# Altium PCB Zotino.PCBDOC (part 3 of 8) (continued)
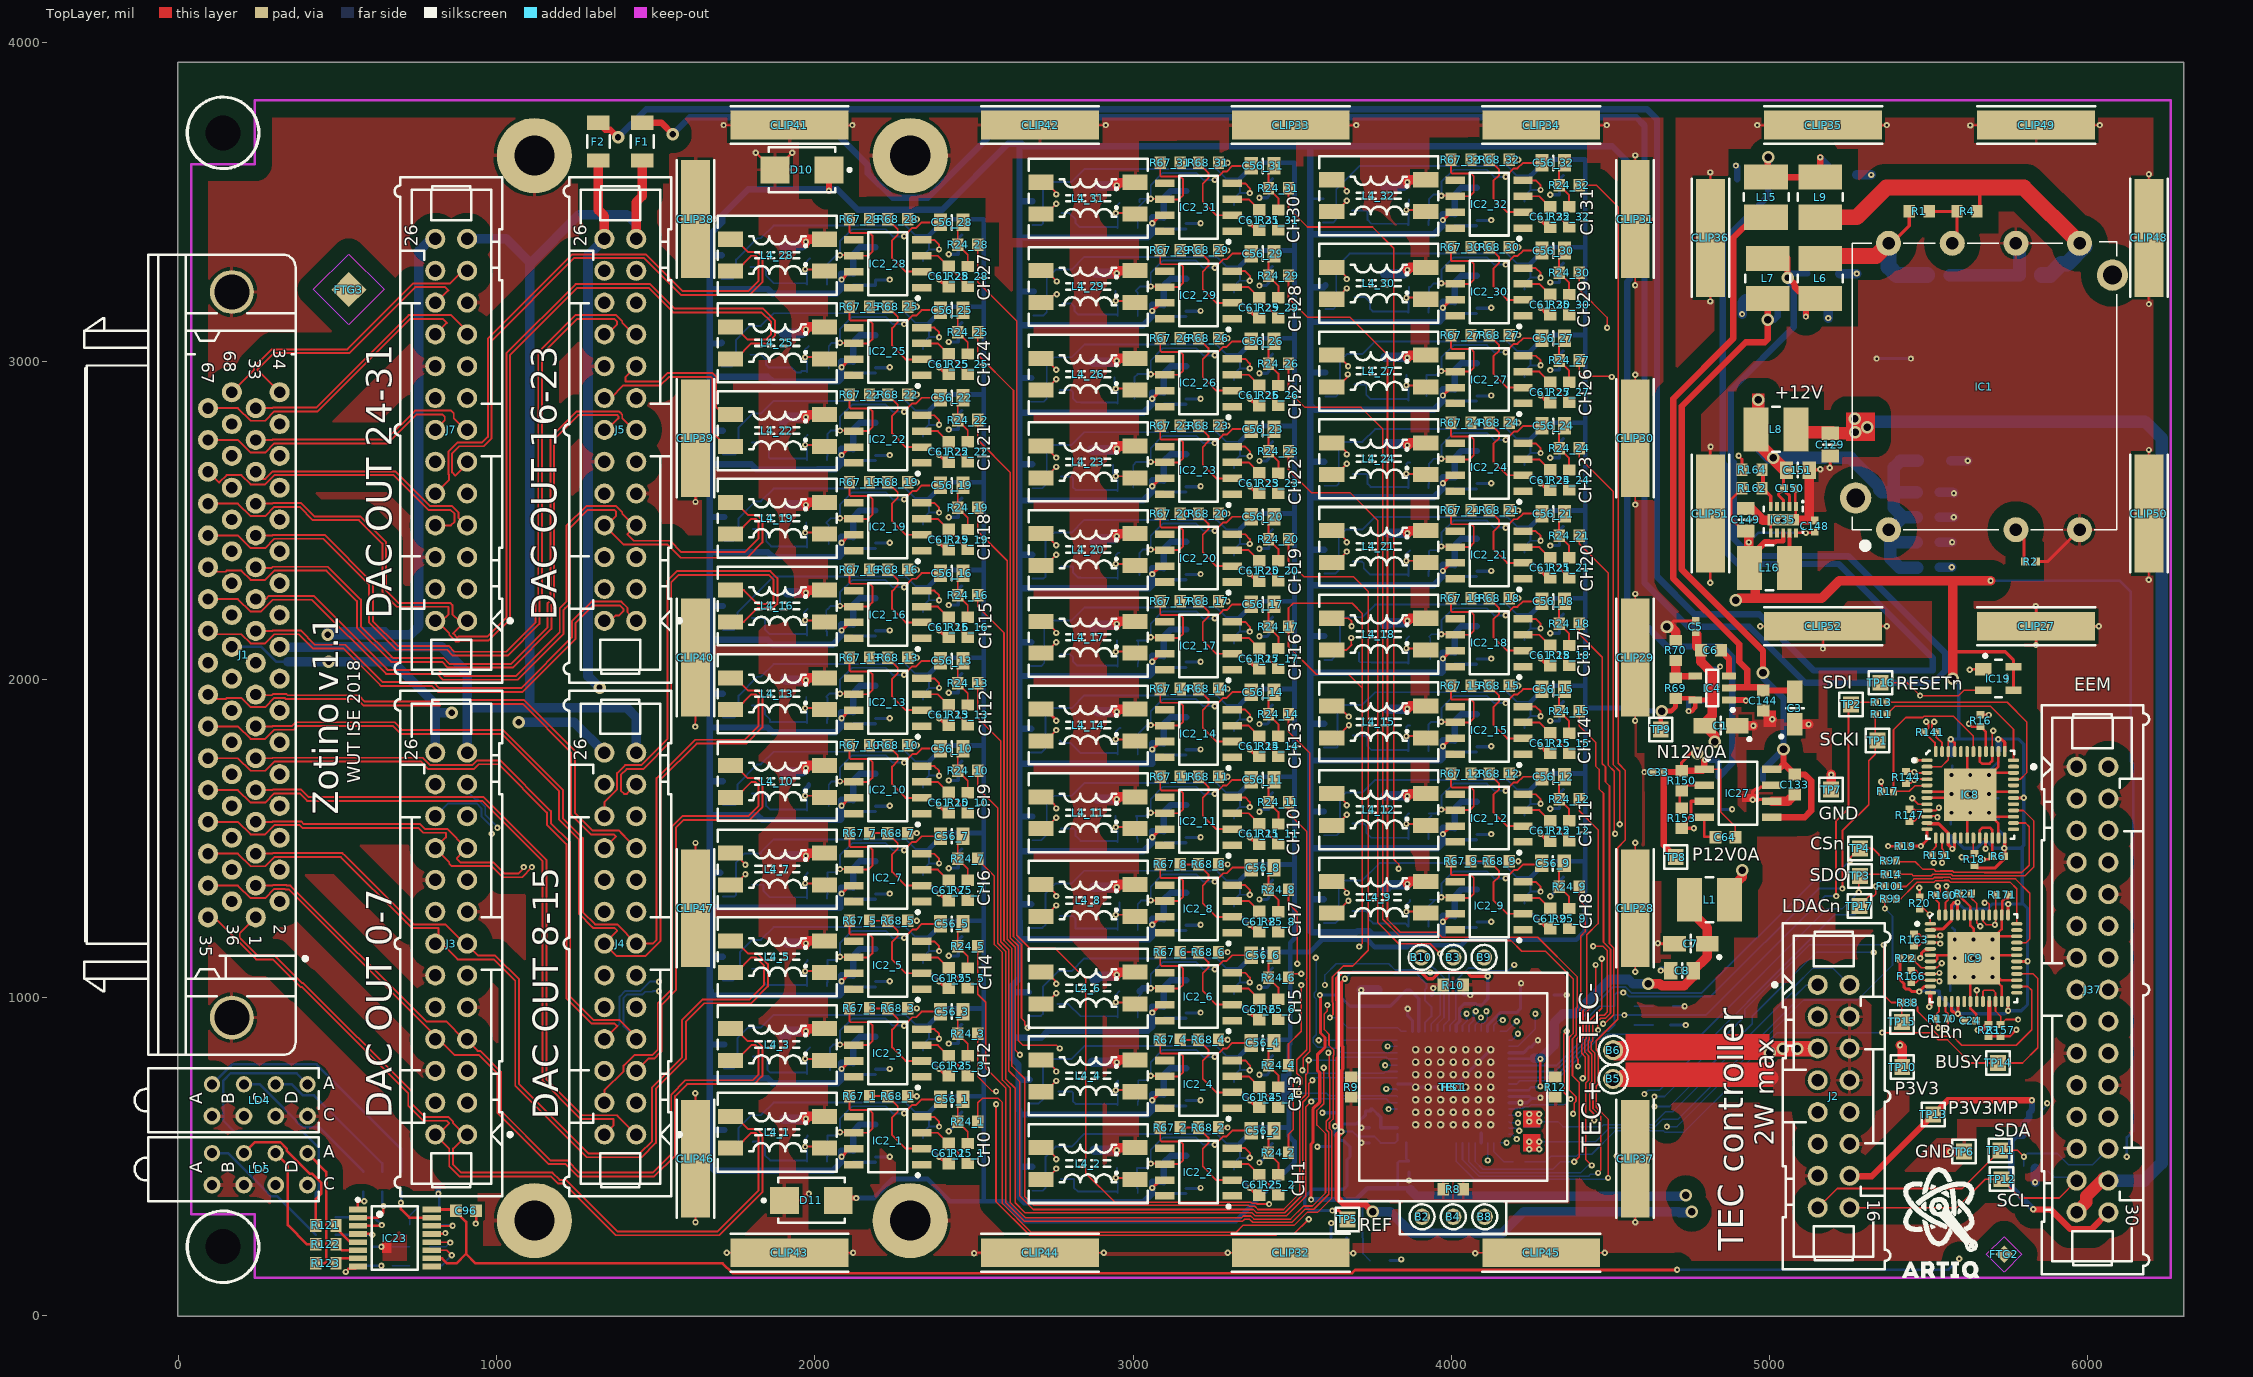
[diagram p0: TopLayer view]
## Nets (pads, with @x,y where several pads share a name; then routed paths per layer and width w, separated by ;. In a path a pad name is that pad's centre, name@x,y a point inside that pad or via, vN(x,y) a via of type N, cw(c..) or ccw(c..) an arc to the next point about the centre after c; other vN are vias at no path point) (continued)
  Signal Layer 1 w6: J1.60@167.72,2502.02 225.72,2502.02 236.22,2512.52 259.08,2512.52 308.45,2561.89 508.81,2561.89 767.29,2303.41 767.29,2267.35 790.43,2244.21 968.16,2244.21 1048.84,2324.89 1048.84,2522.41 1137.84,2611.41 1137.84,2898.93 1158.84,2919.93 1158.84,3124.45 1199.84,3165.45 1199.84,3192.86 1251.19,3244.21 1398.79,3244.21 J5.23@1438.29,3283.71 1486.79,3235.2 1490.49,3235.2 1497.32,3228.37 1538.84,3186.86 1560.29,3165.41 1560.29,2958.44 1646.84,2871.89 2328.11,2871.89 2331.63,2868.37 2363.08,2836.92 2446.81,2836.92 2451.84,2831.89 2501.84,2781.89 2908.62,2781.89 2916.73,2790 2920.24,2793.51 3266.49,2793.51 3270,2790 3315.11,2744.89 3496.74,2744.89 3543.84,2697.79 3662.55,2697.79 v1(3671.31,2706.55)
DAC_OUT_N25: J1.61 J7.2 L4_25.3 | length 3364.1
  TopLayer w6: J1.61@92.72,2552.02 186.86,2552.02 226.36,2512.52 272.37,2512.52 301.36,2541.51 380.34,2541.51 421.96,2499.89 566.87,2499.89 640.6,2426.16 640.6,2273.13 685.84,2227.89 848.84,2227.89 848.84,2204.89 827.66,2183.71 J7.2@806.79,2183.71 811.29,2183.71 850.79,2144.21 850.79,2139.24 867.91,2122.12 871.42,2118.61 881.36,2118.61 884.88,2122.12 974.97,2122.12 1042,2189.15 1042,3019.16 1252.84,3230 1477.38,3230 1554.41,3152.97 1831.75,3152.97 1862.03,3122.7 1862.03,3084.97 1844.72,3067.66 1788.65,3067.66 L4_25.3@1752.19,3104.12 ; L4_25.3@1734.08,3107.12 1734.08,3111.24 1745.08,3111.24 L4_25.3@1752.19,3104.12 ; L4_25.3@1737.08,3104.12 L4_25.3@1752.19,3104.12
DAC_OUT_N26: J1.62 J7.5 L4_26.3 | length 4023.2
  TopLayer w6: L4_26.3@2710.45,3008.69 2721.53,3008.69 v1(2757.93,2972.3)
  Signal Layer 1 w6: J1.62@167.72,2602.02 178.22,2612.52 259.08,2612.52 296.45,2649.89 331.87,2649.89 353.87,2671.89 518.81,2671.89 755.81,2434.89 785.14,2434.89 785.46,2435.2 840.49,2435.2 858.29,2417.41 858.29,2358.41 864.33,2352.36 875.44,2352.36 J7.5@902.98,2379.9 ; J7.5@906.79,2383.71 J7.5@902.98,2379.9 ; v1(2757.93,2972.3) 2749.16,2963.53 2663.87,2963.53 2627.22,2926.89 1716.56,2926.89 1606.49,3036.96 1606.49,3214.21 1604.33,3216.37 1492.32,3328.37 1485.49,3335.2 1254.69,3335.2 1161.84,3242.35 1161.84,3181.19 1120.84,3140.19 1120.84,2935.67 1099.84,2914.67 1099.84,2627.15 1001.84,2529.15 1001.84,2387.89 949.15,2335.2 902.98,2335.2 J7.5@902.98,2379.9
DAC_OUT_N27: J1.63 J7.8 L4_27.3 | length 4862.7
  TopLayer w6: J1.63@92.72,2652.02 126.36,2618.38 128.22,2618.38 151.36,2641.51 197.37,2641.51 226.36,2612.52 272.37,2612.52 301.36,2641.51 676.16,2641.51 785.46,2532.21 854.52,2532.21 867.29,2519.44 867.29,2494.89 856.11,2483.71 J7.8@806.79,2483.71 ; L4_27.3@3623.84,3018.54 3628.38,3014 3646,3014 3675,2985 v1(3675,2984)
  Signal Layer 1 w6: J7.8@806.79,2483.71 850.93,2483.71 855.29,2488.07 855.29,2529.38 866.56,2540.65 959.6,2540.65 1061.84,2642.89 1061.84,2930.41 1082.84,2951.41 1082.84,3155.93 1123.84,3196.93 1123.84,3258.09 1300.95,3435.2 1522.71,3435.2 1800,3157.92 2134.56,3157.92 2210,3082.48 2282.48,3082.48 2326.89,3126.89 2971.97,3126.89 3048.86,3050 3531.6,3050 3597.6,2984 v1(3675,2984)
DAC_OUT_N28: J1.64 J7.11 L4_28.3 | length 2655.8
  TopLayer w6: J7.11@906.79,2683.71 902.21,2679.13 904.55,2676.79 906.79,2676.79 870,2640 860,2650 860,2710 882.21,2732.21 959.18,2732.21 964.97,2738 983.95,2756.98 983.95,3064.46 1242.69,3323.2 1463.55,3323.2 1578.76,3208 1794.97,3208 1831.32,3244.35 1834.83,3247.86 1834.83,3326.77 1831.32,3330.29 1818.35,3343.26 1788.65,3343.26 L4_28.3@1752.19,3379.71 ; L4_28.3@1734.08,3382.71 1734.08,3386.83 1745.08,3386.83 L4_28.3@1752.19,3379.71 ; L4_28.3@1737.08,3379.71 L4_28.3@1752.19,3379.71
  Signal Layer 1 w6: J1.64@167.72,2702.02 178.22,2712.52 259.08,2712.52 298.45,2751.89 648.81,2751.89 756.49,2644.21 823.15,2644.21 823.82,2644.89 867.97,2644.89 J7.11@906.79,2683.71
DAC_OUT_N29: J1.65 J7.14 L4_29.3 | length 3469.1
  TopLayer w6: J1.65@92.72,2752.02 186.86,2752.02 226.36,2712.52 272.37,2712.52 301.36,2741.51 657.43,2741.51 748.13,2832.21 829.2,2832.21 836.61,2824.8 836.61,2813.53 J7.14@806.79,2783.71 ; L4_29.3@2710.46,3284.28 2725.72,3284.28 v1(2760,3250)
  Signal Layer 1 w6: J7.14@806.79,2783.71 834.65,2811.56 840.54,2811.56 863.87,2834.89 928.84,2834.89 951.84,2857.89 951.84,2874.15 1044.84,2967.15 1044.84,3171.67 1085.84,3212.67 1085.84,3273.83 1306.1,3494.09 1722.44,3494.09 1974.97,3241.57 1979.94,3241.57 2002.03,3219.48 2479.48,3219.48 2510,3250 v1(2760,3250)
DAC_OUT_N30: J1.66 J7.17 L4_30.3 | length 4348.3
  TopLayer w6: L4_30.3@3623.84,3294.13 3640.87,3294.13 3671.31,3263.69 v1(3671.31,3257.73)
  Signal Layer 1 w6: J1.66@167.72,2802.02 178.22,2812.52 259.08,2812.52 298.45,2851.89 585.84,2851.89 680.84,2946.89 787.75,2946.89 790.43,2944.21 837.91,2944.21 858.27,2964.57 858.27,2976.38 865.6,2983.71 J7.17@906.79,2983.71 906.79,2983.56 875.98,2952.76 875.98,2942.91 883.69,2935.2 959.15,2935.2 1006.84,2982.89 1006.84,3187.41 1047.84,3228.41 1047.84,3289.57 1284.05,3525.78 1875.05,3525.78 1889.62,3511.2 2019.06,3381.77 2019.06,3330.94 2061.6,3288.4 2481.32,3288.4 2519.8,3326.89 2971.84,3326.89 3024.73,3274 3276.03,3274 3308.03,3306 3388,3306 3445.03,3248.97 3662.55,3248.97 v1(3671.31,3257.73)
DAC_OUT_N31: J1.67 J7.20 L4_31.3 | length 3388.7
  TopLayer w6: J1.67@92.72,2852.02 186.86,2852.02 226.36,2812.52 272.37,2812.52 301.36,2841.51 437.43,2841.51 728.13,3132.21 831.02,3132.21 843.16,3120.08 J7.20@806.79,3083.71 ; L4_31.3@2710.45,3559.88 L4_31.3@2710.63,3559.88 ; L4_31.3@2710.63,3561.81 2725.59,3561.81 2757.93,3529.48 v1(2757.93,3523.48)
  Signal Layer 1 w6: J7.20@806.79,3083.71 843.55,3083.71 843.55,3111.57 866.87,3134.89 921.84,3134.89 968.84,3181.89 968.84,3203.15 1009.84,3244.15 1009.84,3305.31 1269.68,3565.15 1925.55,3565.15 1941.49,3549.2 2095.81,3394.89 2100.78,3394.89 2133.67,3362 2332.14,3362 2365.03,3394.89 2473.84,3394.89 2593.67,3514.72 2749.16,3514.72 v1(2757.93,3523.48)
DAC_OUT_N32: J1.68 J7.23 L4_32.3 | length 4175.5
  TopLayer w6: J1.68@167.72,2902.02 236.72,2971.02 236.72,2979.86 293.75,3036.89 530.84,3036.89 738.16,3244.21 853.16,3244.21 892.66,3283.71 J7.23@906.79,3283.71 ; L4_32.3@3623.84,3569.72 3640.28,3569.72 3671.31,3538.69 v1(3671.31,3533.32)
  Signal Layer 1 w6: J7.23@906.79,3283.71 891.98,3283.71 856.3,3248.03 856.3,3241.08 862.17,3235.2 947.15,3235.2 955.98,3244.03 955.98,3305.2 1255.31,3604.52 2096.18,3604.52 2210,3490.7 2484.65,3490.7 2595.95,3602 3391.73,3602 3469.17,3524.56 3662.55,3524.56 v1(3671.31,3533.32)
DAC_OUT_P1: J1.1 J3.1 L4_1.4 | length 2578.6
  TopLayer w6: J1.1@242.72,1252.02 192.32,1201.62 192.32,1188.37 248.81,1131.89 301.84,1131.89 388.11,1045.62 391.81,1045.62 733.84,703.6 733.84,664.89 773.84,624.89 847.76,624.89 862.79,609.86 862.79,604.89 898.14,569.53 J3.1@906.79,569.53 862.79,525.53 862.79,474.89 887.79,449.89 1174.55,449.89 1197.44,427 1216.7,427 1378.81,264.89 1693.84,264.89 1822.83,393.88 1822.83,565.9 1813.84,574.89 1799.89,574.89 1751.81,526.81 L4_1.4@1734.08,526.81
DAC_OUT_P2: J1.2 J3.4 L4_2.4 | length 3208.2
  TopLayer w6: L4_2.4@2710.46,428.38 2726.38,428.38 2757.93,459.93 v1(2757.93,462.46)
  Signal Layer 1 w6: J1.2@317.72,1302.02 345.59,1329.89 388.84,1329.89 738.84,979.89 738.84,739.92 760.87,717.89 837.23,717.89 846.46,708.66 J3.4@807.33,669.53 ; J3.4@806.79,669.53 J3.4@807.33,669.53 ; v1(2757.93,462.46) 2749.16,471.22 2420.17,471.22 2382.74,433.79 2379.22,430.27 2001.55,430.27 1998.03,433.79 1981.93,449.89 1583.29,449.89 1563.8,430.4 1525.29,391.89 1240.29,391.89 1162.29,469.89 923.15,709.03 887.98,709.03 848.49,669.53 J3.4@807.33,669.53
DAC_OUT_P3: J1.3 J3.7 L4_3.4 | length 2451.4
  TopLayer w6: J1.3@242.72,1352.02 294.89,1352.02 296.39,1353.51 339.05,1353.51 340.54,1352.02 351.71,1352.02 778.84,924.89 840.81,924.89 J3.7@896.16,869.53 ; J3.7@906.79,869.53 906.79,865.21 940,832 948,832 1010,770 1013.51,766.49 1013.51,643.46 1168.49,488.49 1221.51,488.49 1260,450 1490,450 1548.29,508.29 1548.29,695.26 1593.03,740 1803.91,740 1822.83,758.92 1822.83,841.49 1813.84,850.48 1799.89,850.48 1751.81,802.4 L4_3.4@1734.08,802.4
DAC_OUT_P4: J1.4 J3.10 L4_4.4 | length 3348.4
  TopLayer w6: L4_4.4@2710.45,703.97 2723.85,703.97 v1(2757.93,738.05)
  Signal Layer 1 w6: J1.4@317.72,1402.02 345.59,1429.89 443.84,1429.89 673.84,1199.89 673.84,1179.92 733.84,1119.92 733.84,1030.69 748.29,1016.23 834.16,1016.23 834.16,996.91 J3.10@806.79,969.53 831.74,969.53 873.83,1011.62 920.56,1011.62 928.24,1003.94 946.28,985.89 946.28,859.25 975.1,830.44 975.1,750.44 978.61,746.92 1157.13,568.4 1295.64,429.89 1509.55,429.89 1548.06,468.4 1792.55,712.89 2455.77,712.89 2489.69,746.81 2749.16,746.81 v1(2757.93,738.05)
DAC_OUT_P5: J1.5 J3.13 L4_5.4 | length 2767.1
  TopLayer w6: J1.5@242.72,1452.02 294.89,1452.02 296.39,1453.51 515.22,1453.51 523.84,1444.89 738.69,1230.04 838.69,1230.04 899.19,1169.53 J3.13@906.79,1169.53 906.79,1167 941.79,1132 994.97,1132 998.49,1128.49 1070,1056.97 1070,728.29 1288.29,510 1450,510 1488,548 1488,717.57 1582.49,812.06 1582.49,929.46 1647.16,994.13 1794.45,994.13 1840,1039.68 1840,1099.91 1813.84,1126.07 1799.89,1126.07 1751.81,1077.99 L4_5.4@1734.08,1077.99
DAC_OUT_P6: J1.6 J3.16 L4_6.4 | length 3506.5
  TopLayer w6: L4_6.4@2710.46,979.56 2723.85,979.56 v1(2757.93,1013.64)
  Signal Layer 1 w6: J1.6@317.72,1502.02 355.59,1539.89 538.84,1539.89 765.84,1312.89 840.84,1312.89 843.84,1309.89 843.84,1306.59 J3.16@806.79,1269.53 814.07,1276.81 849.17,1276.81 849.17,1240.16 871.29,1218.04 934.38,1218.04 960.84,1191.58 960.84,1025.08 984.28,1001.63 984.28,874.99 1013.1,846.18 1013.1,766.18 1016.61,762.66 1167.04,612.23 1493.7,612.23 1502.36,620.89 1506.81,620.89 1518.84,632.92 1518.84,819.18 1691.04,991.37 2585.32,991.37 2588.84,994.89 2616.35,1022.4 2749.16,1022.4 v1(2757.93,1013.64)
DAC_OUT_P7: J1.7 J3.19 L4_7.4 | length 2502.2
  TopLayer w6: J1.7@242.72,1552.02 294.89,1552.02 296.39,1553.51 385.22,1553.51 393.84,1544.89 758.84,1544.89 773.84,1529.89 843.84,1529.89 904.19,1469.53 J3.19@906.79,1469.53 874.26,1437.01 874.26,1436.46 885.83,1424.89 988.84,1424.89 1023.84,1389.89 1068.84,1389.89 1085,1406.05 v1(1085,1409.89) ; L4_7.4@1716.42,1353.58 L4_7.4@1734.08,1353.58 1747.47,1353.58 v1(1781.55,1387.65)
  Signal Layer 1 w6: v1(1085,1409.89) 1091.84,1403.05 1091.84,1055.3 1234.25,912.89 1488.81,912.89 1550.84,974.92 1588.84,1012.92 1588.84,1097.78 1625.23,1134.17 1628.74,1137.68 1628.74,1260.15 1765,1396.42 1772.78,1396.42 v1(1781.55,1387.65)
  BottomLayer w6: v1@1085,1405 v1(1085,1409.89)
DAC_OUT_P8: J1.8 J3.22 L4_8.4 | length 3639.6
  TopLayer w6: L4_8.4@2710.45,1255.15 2723.85,1255.15 v1(2757.93,1289.23)
  Signal Layer 1 w6: J1.8@317.72,1602.02 329.87,1614.17 846.46,1614.17 856.3,1604.33 856.3,1584.65 841.19,1569.53 J3.22@806.79,1569.53 ; v1(984,1515.05) 993.68,1515.05 1010.35,1498.37 1010.35,1318.37 1036.84,1291.89 1036.84,1056.56 1060.28,1033.11 1060.28,906.47 1169.7,797.06 1273.19,797.06 1294.16,818.04 1463.96,818.04 1588.84,942.92 1588.84,959.18 1626.84,997.18 1626.84,1039.84 1666.74,1079.74 1666.74,1181.02 1747.1,1261.37 2535.32,1261.37 2538.84,1264.89 2571.94,1297.99 2749.16,1297.99 v1(2757.93,1289.23)
  BottomLayer w6: J3.22@806.79,1569.53 847.14,1609.89 936.84,1609.89 951.84,1594.89 951.84,1569.92 983.32,1538.44 983.32,1515.73 v1(984,1515.05)
DAC_OUT_P9: J1.9 J4.1 L4_9.4 | length 5294.5
  TopLayer w6: J1.9@242.72,1652.02 294.89,1652.02 296.39,1653.51 385.22,1653.51 386.71,1652.02 408.84,1629.89 958.81,1629.89 1155.84,1432.86 1155.84,742.89 1268.69,630.04 1378.69,630.04 1378.84,629.89 1378.84,628.98 J4.1@1438.29,569.53 ; L4_9.4@3623.84,1264.99 3637.24,1264.99 v1(3676.16,1303.91)
  Signal Layer 1 w6: J4.1@1438.29,569.53 1394.28,525.53 1394.28,514.89 1429.28,479.89 1488.84,479.89 1533.84,524.89 1533.84,583.41 1898.49,948.06 2312.29,948.06 2312.61,947.75 2327.39,947.75 2327.71,948.06 2454.03,948.06 2474.73,927.35 2586.3,927.35 2640.84,981.89 2775.84,981.89 2798.84,1004.89 2798.84,1064.89 2808.84,1074.89 2808.84,1219.89 2888,1299.05 2888,1364.97 2941.51,1418.49 2945.03,1422 3254.97,1422 3258.49,1418.49 3293.02,1383.95 3724.97,1383.95 3742.31,1366.61 3742.31,1323.77 3730.31,1311.77 3684.01,1311.77 v1(3676.16,1303.91)
DAC_OUT_P10: J1.10 J4.4 L4_10.4 | length 3492.9
  TopLayer w6: J4.4@1338.29,669.53 1338.29,708.29 1398.79,768.79 1398.79,785.89 1432.89,820 1490,820 1505.8,835.8 1505.8,982.77 1550.84,1027.81 1550.84,1537.81 1583.03,1570 1790,1570 1822.83,1602.83 1822.83,1668.26 1813.84,1677.25 1799.89,1677.25 1751.81,1629.17 L4_10.4@1734.08,1629.17
  Signal Layer 1 w6: J1.10@317.72,1702.02 350.59,1734.89 768.61,1734.89 785.46,1718.04 928.12,1718.04 982.91,1663.25 982.91,1567.7 946,1530.79 946,1499.31 962.32,1482.99 962.32,1312.66 965.84,1309.15 998.84,1276.15 998.84,1040.82 1022.28,1017.37 1022.28,890.73 1194.98,718.04 1359.62,718.04 1364.47,722.89 1375.84,722.89 1378.84,719.89 1378.84,710.09 J4.4@1338.29,669.53
DAC_OUT_P11: J1.11 J4.7 L4_11.4 | length 3877.1
  TopLayer w6: J1.11@242.72,1752.02 294.89,1752.02 296.39,1753.51 766.95,1753.51 790.43,1730.04 923.15,1730.04 938,1744.89 1010.81,1744.89 1169.84,1585.86 1169.84,1548.38 1230.84,1487.38 1230.84,1002.89 1303.69,930.04 1385.66,930.04 1438.28,877.41 J4.7@1438.29,869.53 ; L4_11.4@2710.45,1530.74 2723.85,1530.74 v1(2757.93,1564.82)
  Signal Layer 1 w6: v1(1510,1020) 1528.95,1020 1537.68,1028.73 1537.68,1031.16 1537.8,1031.16 1548.84,1042.2 1548.84,1042.92 1550.84,1044.92 1550.84,1113.52 1587.23,1149.91 1590.74,1153.42 1590.74,1316.08 1615.32,1340.66 1618.84,1344.18 1618.84,1421.87 1734.86,1537.89 2506.84,1537.89 2542.53,1573.58 2749.16,1573.58 v1(2757.93,1564.82)
  BottomLayer w6: J4.7@1438.29,869.53 1398.79,909.03 1398.79,999.15 1408.67,1009.03 1457.49,1009.03 1466.5,1018.04 1490.48,1018.04 1490,1018.52 1491.48,1020 v1(1510,1020)
DAC_OUT_P12: J1.12 J4.10 L4_12.4 | length 4876.6
  TopLayer w6: L4_12.4@3623.84,1540.58 3637.24,1540.58 v1(3671.31,1574.66)
  Signal Layer 1 w6: J1.12@317.72,1802.02 360.59,1844.89 1008.84,1844.89 1143.84,1709.89 1143.84,1164.92 1200.87,1107.89 1320.78,1107.89 1321.93,1109.03 1354.64,1109.03 1377.78,1085.89 1377.78,1053.18 1338.28,1013.68 J4.10@1338.29,969.53 1376.44,1007.69 1384.04,1007.69 1385.38,1009.03 1459.95,1009.03 1472.16,1021.24 1472.16,1027.39 1482.61,1037.84 1485.05,1037.84 1489.98,1042.78 1489.98,1106.4 1549.23,1165.65 1552.74,1169.16 1552.74,1331.82 1577.32,1356.4 1580.84,1359.92 1580.84,1524.92 1602.16,1546.24 1602.16,1547.39 1612.61,1557.84 1613.76,1557.84 1615.58,1559.66 1814.92,1759 2443.76,1759 2537.87,1664.89 3275.11,1664.89 3313.6,1626.4 3617.32,1626.4 3653.84,1589.89 3657.35,1586.37 3659.6,1586.37 v1(3671.31,1574.66)
DAC_OUT_P13: J1.13 J4.13 L4_13.4 | length 2845
  TopLayer w6: J1.13@242.72,1852.02 294.89,1852.02 296.39,1853.51 357.46,1853.51 368.84,1864.89 679.13,1864.89 703.47,1840.55 1020.15,1840.55 1207.84,1652.86 1207.84,1564.12 1270.84,1501.12 1270.84,1267.89 1308.84,1229.89 1377.93,1229.89 J4.13@1438.29,1169.53 1489.53,1169.53 1502.29,1182.29 1502.29,1689.26 1623.03,1810 1779.1,1810 1822.83,1853.73 1822.83,1943.85 1813.84,1952.84 1799.89,1952.84 1751.81,1904.76 L4_13.4@1734.08,1904.76
DAC_OUT_P14: J1.14 J4.16 L4_14.4 | length 3566.4
  TopLayer w6: L4_14.4@2710.45,1806.33 2723.85,1806.33 v1(2757.93,1840.41)
  Signal Layer 1 w6: J1.14@317.72,1902.02 360.59,1944.89 1038.84,1944.89 1198.84,1784.89 1198.84,1389.92 1270.87,1317.89 1369.12,1317.89 1377.95,1309.06 J4.16@1338.43,1269.53 ; J4.16@1338.29,1269.53 J4.16@1338.43,1269.53 ; v1(2757.93,1840.41) 2749.16,1849.17 2658.84,1849.17 2629.56,1819.89 1623.84,1819.89 1541.84,1737.89 1541.84,1650 1542.84,1649 1542.84,1376.92 1474.95,1309.03 1421.93,1309.03 1382.43,1269.53 J4.16@1338.43,1269.53
DAC_OUT_P15: J1.15 J4.19 L4_15.4 | length 4326.1
  TopLayer w6: J1.15@242.72,1952.02 244.84,1949.89 292.77,1949.89 296.39,1953.51 339.05,1953.51 342.67,1949.89 565.87,1949.89 585.87,1929.89 816.15,1929.89 820.84,1934.57 1086.12,1934.57 1089.17,1931.52 1242.32,1778.37 1245.84,1774.86 1245.84,1579.86 1300.81,1524.89 1382.93,1524.89 J4.19@1421.6,1486.22 ; 1390.84,1516.98 J4.19@1421.6,1486.22 ; J4.19@1438.29,1469.53 J4.19@1421.6,1486.22 ; L4_15.4@3623.84,1816.17 3638.27,1816.17 v1(3677.66,1855.56)
  Signal Layer 1 w6: J4.19@1438.29,1469.53 1426.57,1469.53 1398.84,1497.26 1398.84,1507.89 1483.81,1507.89 1503.84,1527.92 1503.84,1769.89 1606.84,1872.89 1986.84,1872.89 2011.84,1897.89 2461.84,1897.89 2503.84,1939.89 3280.03,1939.89 3312.87,1907.06 3442.94,1907.06 3482,1868 3665.22,1868 v1(3677.66,1855.56)
DAC_OUT_P16: J1.16 J4.22 L4_16.4 | length 2909.8
  TopLayer w6: J4.22@1338.29,1569.53 1338.29,1613.68 1377.78,1653.18 1377.78,1664.89 1378,1665.11 1378,1704.97 1403.07,1730.04 1454.64,1730.04 1536.29,1811.68 1536.29,2310 1566.29,2340 1860,2340 1882,2318 1882,2236.81 1869.54,2224.35 1820.45,2224.35 1776.45,2180.35 L4_16.4@1734.08,2180.35
  Signal Layer 1 w6: J1.16@317.72,2002.02 350.59,2034.89 386.37,2034.89 425.39,1995.87 563.34,1995.87 585.68,2018.21 1065.52,2018.21 1263.84,1819.89 1263.84,1671.15 1318.9,1616.1 1385.87,1616.1 1387.8,1614.17 1387.8,1604.33 1353,1569.53 J4.22@1338.29,1569.53
DAC_OUT_P17: J1.19 J5.1 L4_17.4 | length 3011.4
  TopLayer w6: J1.19@242.72,2152.02 294.89,2152.02 296.39,2153.51 383.49,2153.51 428.54,2108.46 524.05,2108.46 638.1,1994.4 641.62,1990.89 801.62,1990.89 819.93,1972.57 1076.48,1972.57 1235.84,2131.93 1235.84,2181.89 1298.16,2244.21 1391.49,2244.21 1410.84,2224.86 1410.84,2211.15 J5.1@1438.29,2183.71 ; L4_17.4@2710.45,2081.92 2723.85,2081.92 v1(2757.93,2116)
  Signal Layer 1 w6: J5.1@1438.29,2183.71 1424.69,2183.71 1397.64,2210.76 1397.64,2227.73 1402.12,2232.21 1494.55,2232.21 1631.87,2094.89 2608.97,2094.89 2638.84,2124.76 2749.16,2124.76 v1(2757.93,2116)
DAC_OUT_P18: J1.20 J5.4 L4_18.4 | length 3934.6
  TopLayer w6: L4_18.4@3623.84,2091.77 3669.77,2091.77 3686,2108 3685.03,2108.97 v1(3685.03,2129.92)
  Signal Layer 1 w6: J1.20@317.72,2202.02 325.59,2209.89 513.84,2209.89 645.84,2077.89 667.52,2056.21 1102.13,2056.21 1123.81,2077.89 1230.84,2184.92 1230.84,2283.99 1279.53,2332.68 1316.49,2332.68 1316.95,2332.21 1358.27,2332.21 1358.27,2322.83 1338.29,2302.85 J5.4@1338.29,2283.71 1385.98,2331.4 1497.34,2331.4 1528.62,2300.12 2137.87,2300.12 2266.8,2171.19 2382.41,2171.19 2382.61,2171.39 2397.39,2171.39 2397.59,2171.19 2465.14,2171.19 2500.35,2206.4 3163.03,2206.4 3220.14,2149.29 3296.26,2149.29 3324.97,2178 3512,2178 3542,2148 3672.62,2148 3685.03,2135.59 v1(3685.03,2129.92)
DAC_OUT_P19: J1.21 J5.7 L4_19.4 | length 2394.7
  TopLayer w6: J1.21@242.72,2252.02 273.88,2252.02 283.76,2261.89 424.36,2261.89 653.84,2032.4 657.36,2028.89 817.36,2028.89 835.67,2010.57 1060.74,2010.57 1197.84,2147.67 1197.84,2223.38 1202.84,2228.38 1218.84,2244.38 1218.84,2481.86 1281.19,2544.21 1374.93,2544.21 1375.4,2543.75 1394.28,2524.86 1394.28,2519.89 1430.47,2483.71 J5.7@1438.29,2483.71 1410,2455.42 1430.22,2435.2 1544.8,2435.2 1580.37,2399.63 1779.63,2399.63 1822.83,2442.83 1822.83,2495.03 1813.84,2504.02 1799.89,2504.02 1751.81,2455.94 L4_19.4@1734.08,2455.94
DAC_OUT_P20: J1.22 J5.10 L4_20.4 | length 3302.3
  TopLayer w6: L4_20.4@2710.45,2357.51 2723.85,2357.51 v1(2757.93,2391.59)
  Signal Layer 1 w6: J1.22@317.72,2302.02 348.84,2333.14 348.84,2344.89 368.84,2364.89 463.84,2364.89 715.84,2112.89 734.52,2094.21 1015.13,2094.21 1033.81,2112.89 1167.32,2246.4 1170.84,2249.92 1170.84,2359.86 1167.32,2363.37 1157.32,2373.37 1157.32,2493.37 1296.16,2632.21 1351.1,2632.21 1355.36,2627.95 1368.94,2614.37 J5.10@1338.29,2583.71 1382.43,2583.71 1421.93,2623.2 1454.64,2623.2 1475.3,2602.55 ; 1468.5,2609.35 1477.78,2600.07 1477.78,2543.98 1661.87,2359.89 2311.11,2359.89 2312.61,2361.39 2327.39,2361.39 2328.89,2359.89 2583.38,2359.89 2623.84,2400.35 2749.16,2400.35 v1(2757.93,2391.59)
DAC_OUT_P21: J1.23 J5.13 L4_21.4 | length 4719.7
  TopLayer w6: J1.23@242.72,2352.02 244.84,2349.89 292.77,2349.89 296.39,2353.51 469.71,2353.51 572.84,2250.38 572.84,2167.15 669.58,2070.4 673.1,2066.89 833.1,2066.89 851.41,2048.57 1045,2048.57 1159.84,2163.41 1159.84,2239.12 1164.84,2244.12 1168.35,2247.63 1168.35,2759.4 1250.84,2841.89 1383.81,2841.89 1387.32,2838.37 1394.28,2831.41 1394.28,2819.89 1430.47,2783.71 J5.13@1438.29,2783.71 ; L4_21.4@3623.84,2367.36 3637.24,2367.36 v1(3671.31,2401.43)
  Signal Layer 1 w6: J5.13@1438.29,2783.71 1402.1,2819.89 1412.1,2829.89 1461.84,2829.89 1481.84,2809.89 1481.84,2749.92 1485.35,2746.4 1731.87,2499.89 2011.87,2499.89 2063.87,2447.89 2456.84,2447.89 2488.84,2479.89 3164.18,2479.89 3185.81,2501.51 3261.34,2501.51 3307.97,2454.89 3391.87,2454.89 3436.56,2410.2 3662.55,2410.2 v1(3671.31,2401.43)
DAC_OUT_P22: J1.24 J5.16 L4_22.4 | length 2549.7
  TopLayer w6: J5.16@1338.29,2883.71 1358.12,2883.71 1397.61,2923.2 1514.46,2923.2 1541.43,2950.17 1673.1,2950.17 1677.78,2945.49 1677.78,2776.92 1723.18,2731.53 L4_22.4@1734.08,2731.53
  Signal Layer 1 w6: J1.24@317.72,2402.02 355.59,2439.89 523.84,2439.89 616.84,2346.89 616.84,2284.92 769.55,2132.21 963.13,2132.21 1115.84,2284.92 1115.84,2518.7 1187.84,2590.7 1187.84,2858.89 1253.84,2924.89 1379.47,2924.89 1383.84,2920.52 1383.84,2909.43 1358.12,2883.71 J5.16@1338.29,2883.71
DAC_OUT_P23: J1.25 J5.19 L4_23.4 | length 4236.3
  TopLayer w6: J1.25@242.72,2452.02 294.89,2452.02 296.39,2453.51 459.87,2453.51 610.84,2302.55 610.84,2182.89 688.84,2104.89 848.84,2104.89 867.15,2086.57 1029.26,2086.57 1121.84,2179.15 1121.84,2254.86 1130.35,2263.37 1130.35,3027.25 1247.32,3144.21 1374.93,3144.21 1394.28,3124.86 1394.28,3119.89 1430.47,3083.71 J5.19@1438.29,3083.71 ; L4_23.4@2710.45,2633.1 2723.85,2633.1 v1(2757.93,2667.18)
  Signal Layer 1 w6: J5.19@1438.29,3083.71 1404.48,3083.71 1393.84,3094.35 1393.84,3111.62 1412.14,3129.92 1466.54,3129.92 1505.91,3090.55 1505.91,2850.85 1711.87,2644.89 1715.38,2641.37 2500.4,2641.37 2534.97,2675.94 2749.16,2675.94 v1(2757.93,2667.18)
DAC_OUT_P24: J1.26 J5.22 L4_24.4 | length 4841.3
  TopLayer w6: L4_24.4@3623.84,2642.95 3637.24,2642.95 v1(3671.31,2677.02)
  Signal Layer 1 w6: J1.26@317.72,2502.02 365.59,2549.89 503.84,2549.89 755.29,2298.44 755.29,2262.38 785.46,2232.21 973.13,2232.21 1057.32,2316.4 1060.84,2319.92 1060.84,2517.44 1149.84,2606.44 1149.84,2893.96 1170.84,2914.96 1170.84,3119.48 1211.84,3160.48 1211.84,3187.89 1256.16,3232.21 1333.84,3232.21 1338.28,3227.77 J5.22@1338.29,3183.71 1377.78,3223.2 1485.52,3223.2 1548.29,3160.44 1548.29,2953.47 1641.87,2859.89 2323.14,2859.89 2358.11,2824.92 2441.84,2824.92 2496.87,2769.89 2913.59,2769.89 2925.22,2781.51 3261.51,2781.51 3310.14,2732.89 3491.77,2732.89 3538.87,2685.79 3662.55,2685.79 v1(3671.31,2677.02)
DAC_OUT_P25: J1.27 J7.1 L4_25.4 | length 3212.9
  TopLayer w6: J1.27@242.72,2552.02 294.89,2552.02 296.39,2553.51 385.31,2553.51 426.93,2511.89 571.84,2511.89 603.84,2479.89 652.6,2431.13 652.6,2278.1 690.81,2239.89 853.81,2239.89 860.84,2232.86 860.84,2204.89 882.02,2183.71 J7.1@906.79,2183.71 902.28,2183.71 862.79,2144.21 876.39,2130.61 879.91,2134.12 970,2134.12 1030,2194.12 1030,3024.13 1247.87,3242 1482.35,3242 1559.38,3164.97 1836.72,3164.97 1874.03,3127.67 1874.03,3080 1849.23,3055.2 1799.89,3055.2 1751.81,3007.12 L4_25.4@1734.08,3007.12
DAC_OUT_P26: J1.28 J7.4 L4_26.4 | length 3960.3
  TopLayer w6: L4_26.4@2710.45,2908.69 2723.85,2908.69 v1(2757.93,2942.77)
  Signal Layer 1 w6: J1.28@317.72,2602.02 348.84,2633.14 348.84,2649.89 358.84,2659.89 513.84,2659.89 750.84,2422.89 790.11,2422.89 ; 790.43,2423.2 835.52,2423.2 846.29,2412.44 846.29,2342.35 806.79,2302.85 J7.4@806.79,2283.71 817.17,2283.71 867.11,2333.65 887.57,2333.65 898.01,2323.2 954.12,2323.2 1013.84,2382.92 1013.84,2524.18 1111.84,2622.18 1111.84,2909.7 1132.84,2930.7 1132.84,3135.22 1173.84,3176.22 1173.84,3237.38 1259.66,3323.2 1480.52,3323.2 1594.49,3209.24 1594.49,3031.99 1711.59,2914.89 2632.19,2914.89 2668.84,2951.53 2749.16,2951.53 v1(2757.93,2942.77)
DAC_OUT_P27: J1.29 J7.7 L4_27.4 | length 4639.7
  TopLayer w6: J1.29@242.72,2652.02 264.85,2629.89 272.76,2629.89 296.39,2653.51 681.13,2653.51 790.43,2544.21 859.49,2544.21 879.29,2524.41 879.29,2507.44 903.02,2483.71 J7.7@906.79,2483.71 ; L4_27.4@3623.84,2918.54 3641.54,2918.54 3673.72,2950.72 v1(3673.72,2957.92)
  Signal Layer 1 w6: J7.7@906.79,2483.71 895.61,2494.89 867.29,2494.89 867.29,2524.41 871.53,2528.65 964.57,2528.65 1073.84,2637.92 1073.84,2925.44 1094.84,2946.44 1094.84,3150.96 1135.84,3191.96 1135.84,3253.12 1305.92,3423.2 1517.74,3423.2 1791.51,3149.43 1795.03,3145.92 2129.59,3145.92 2201.51,3074 2205.03,3070.48 2287.45,3070.48 2290.97,3074 2331.86,3114.89 2967,3114.89 3043.89,3038 3526.63,3038 3574.63,2990 3592.63,2972 3638,2972 3652.08,2957.92 v1(3673.72,2957.92)
DAC_OUT_P28: J1.30 J7.10 L4_28.4 | length 2482.2
  TopLayer w6: J7.10@806.79,2583.71 850,2626.92 850,2643.03 848,2645.03 848,2714.97 877.24,2744.21 954.21,2744.21 971.95,2761.95 971.95,3069.43 1237.72,3335.2 1468.52,3335.2 1583.73,3220 1790,3220 1822.83,3252.83 1822.83,3321.8 1813.84,3330.79 1799.89,3330.79 1751.81,3282.71 L4_28.4@1734.08,3282.71
  Signal Layer 1 w6: J1.30@317.72,2702.02 355.59,2739.89 643.84,2739.89 750.84,2632.89 751.52,2632.21 828.12,2632.21 828.8,2632.89 856.3,2632.89 856.3,2618.11 821.9,2583.71 J7.10@806.79,2583.71
DAC_OUT_P29: J1.31 J7.13 L4_29.4 | length 3310.8
  TopLayer w6: J1.31@242.72,2752.02 294.89,2752.02 296.39,2753.51 652.46,2753.51 743.16,2844.21 856.49,2844.21 864.84,2835.86 864.84,2820.2 901.33,2783.71 J7.13@906.79,2783.71 ; L4_29.4@2710.46,3184.28 2728.18,3184.28 2753.9,3210 v1(2760,3210)
  Signal Layer 1 w6: J7.13@906.79,2783.71 879.47,2811.02 879.47,2821.37 880.99,2822.89 933.81,2822.89 963.84,2852.92 963.84,2869.18 1056.84,2962.18 1056.84,3166.7 1097.84,3207.7 1097.84,3268.86 1311.07,3482.09 1717.47,3482.09 1970,3229.57 1974.97,3229.57 1997.06,3207.48 2484.45,3207.48 2514.97,3238 2745.35,3238 2760,3223.35 v1(2760,3210)
DAC_OUT_P30: J1.32 J7.16 L4_30.4 | length 4188.2
  TopLayer w6: L4_30.4@3623.84,3194.13 3637.24,3194.13 v1(3671.31,3228.2)
  Signal Layer 1 w6: J1.32@317.72,2802.02 355.59,2839.89 590.81,2839.89 685.81,2934.89 782.78,2934.89 785.46,2932.21 838.84,2932.21 838.84,2915.76 J7.16@806.79,2883.71 850.93,2883.71 885.11,2917.89 890.43,2923.2 964.12,2923.2 1018.84,2977.92 1018.84,3182.44 1059.84,3223.44 1059.84,3284.6 1289.02,3513.78 1870.08,3513.78 2007.06,3376.8 2007.06,3325.97 2056.63,3276.4 2486.29,3276.4 2524.77,3314.89 2966.87,3314.89 3019.76,3262 3281,3262 3313,3294 3383.03,3294 3440.06,3236.97 3662.55,3236.97 v1(3671.31,3228.2)
DAC_OUT_P31: J1.33 J7.19 L4_31.4 | length 3224.8
  TopLayer w6: J1.33@242.72,2852.02 294.89,2852.02 296.39,2853.51 432.46,2853.51 723.16,3144.21 856.49,3144.21 906.79,3093.91 J7.19@906.79,3083.71 ; L4_31.4@2710.45,3459.88 2723.85,3459.88 v1(2757.93,3493.95)
  Signal Layer 1 w6: J7.19@906.79,3083.71 867.17,3083.71 863.84,3087.04 863.84,3114.89 871.84,3122.89 926.81,3122.89 980.84,3176.92 980.84,3198.18 1021.84,3239.18 1021.84,3300.34 1274.65,3553.15 1920.58,3553.15 2090.84,3382.89 2095.81,3382.89 2128.7,3350 2337.11,3350 2370,3382.89 2478.81,3382.89 2598.64,3502.72 2749.16,3502.72 v1(2757.93,3493.95)
DAC_OUT_P32: J1.34 J7.22 L4_32.4 | length 4128.6
  TopLayer w6: J1.34@317.72,2902.02 248.72,2971.02 248.72,2974.89 298.72,3024.89 535.81,3024.89 743.13,3232.21 837.62,3232.21 847.88,3221.96 809.63,3183.71 J7.22@806.79,3183.71 ; L4_32.4@3623.84,3469.72 3637.24,3469.72 v1(3671.31,3503.79)
  Signal Layer 1 w6: J7.22@806.79,3183.71 846.28,3223.2 952.12,3223.2 967.98,3239.06 967.98,3300.23 1260.28,3592.52 2091.21,3592.52 2201.51,3482.21 2205.03,3478.7 2489.62,3478.7 2493.14,3482.21 2600.92,3590 3386.76,3590 3464.2,3512.56 3662.55,3512.56 v1(3671.31,3503.79)